# Altium PCB Digital_Output_PCB.PcbDoc (part 3 of 3)
Units mil, origin at the board's own origin, x right, y up, seen from the top; angles counter-clockwise.
Board outline 5600 x 4000 mil, 4 copper layers (Top Layer, Plane(Gnd), Plane(Power), Bottom Layer), stack 23.756 mil thick; 280 components, 305 nets, 760 pads, 331 vias.
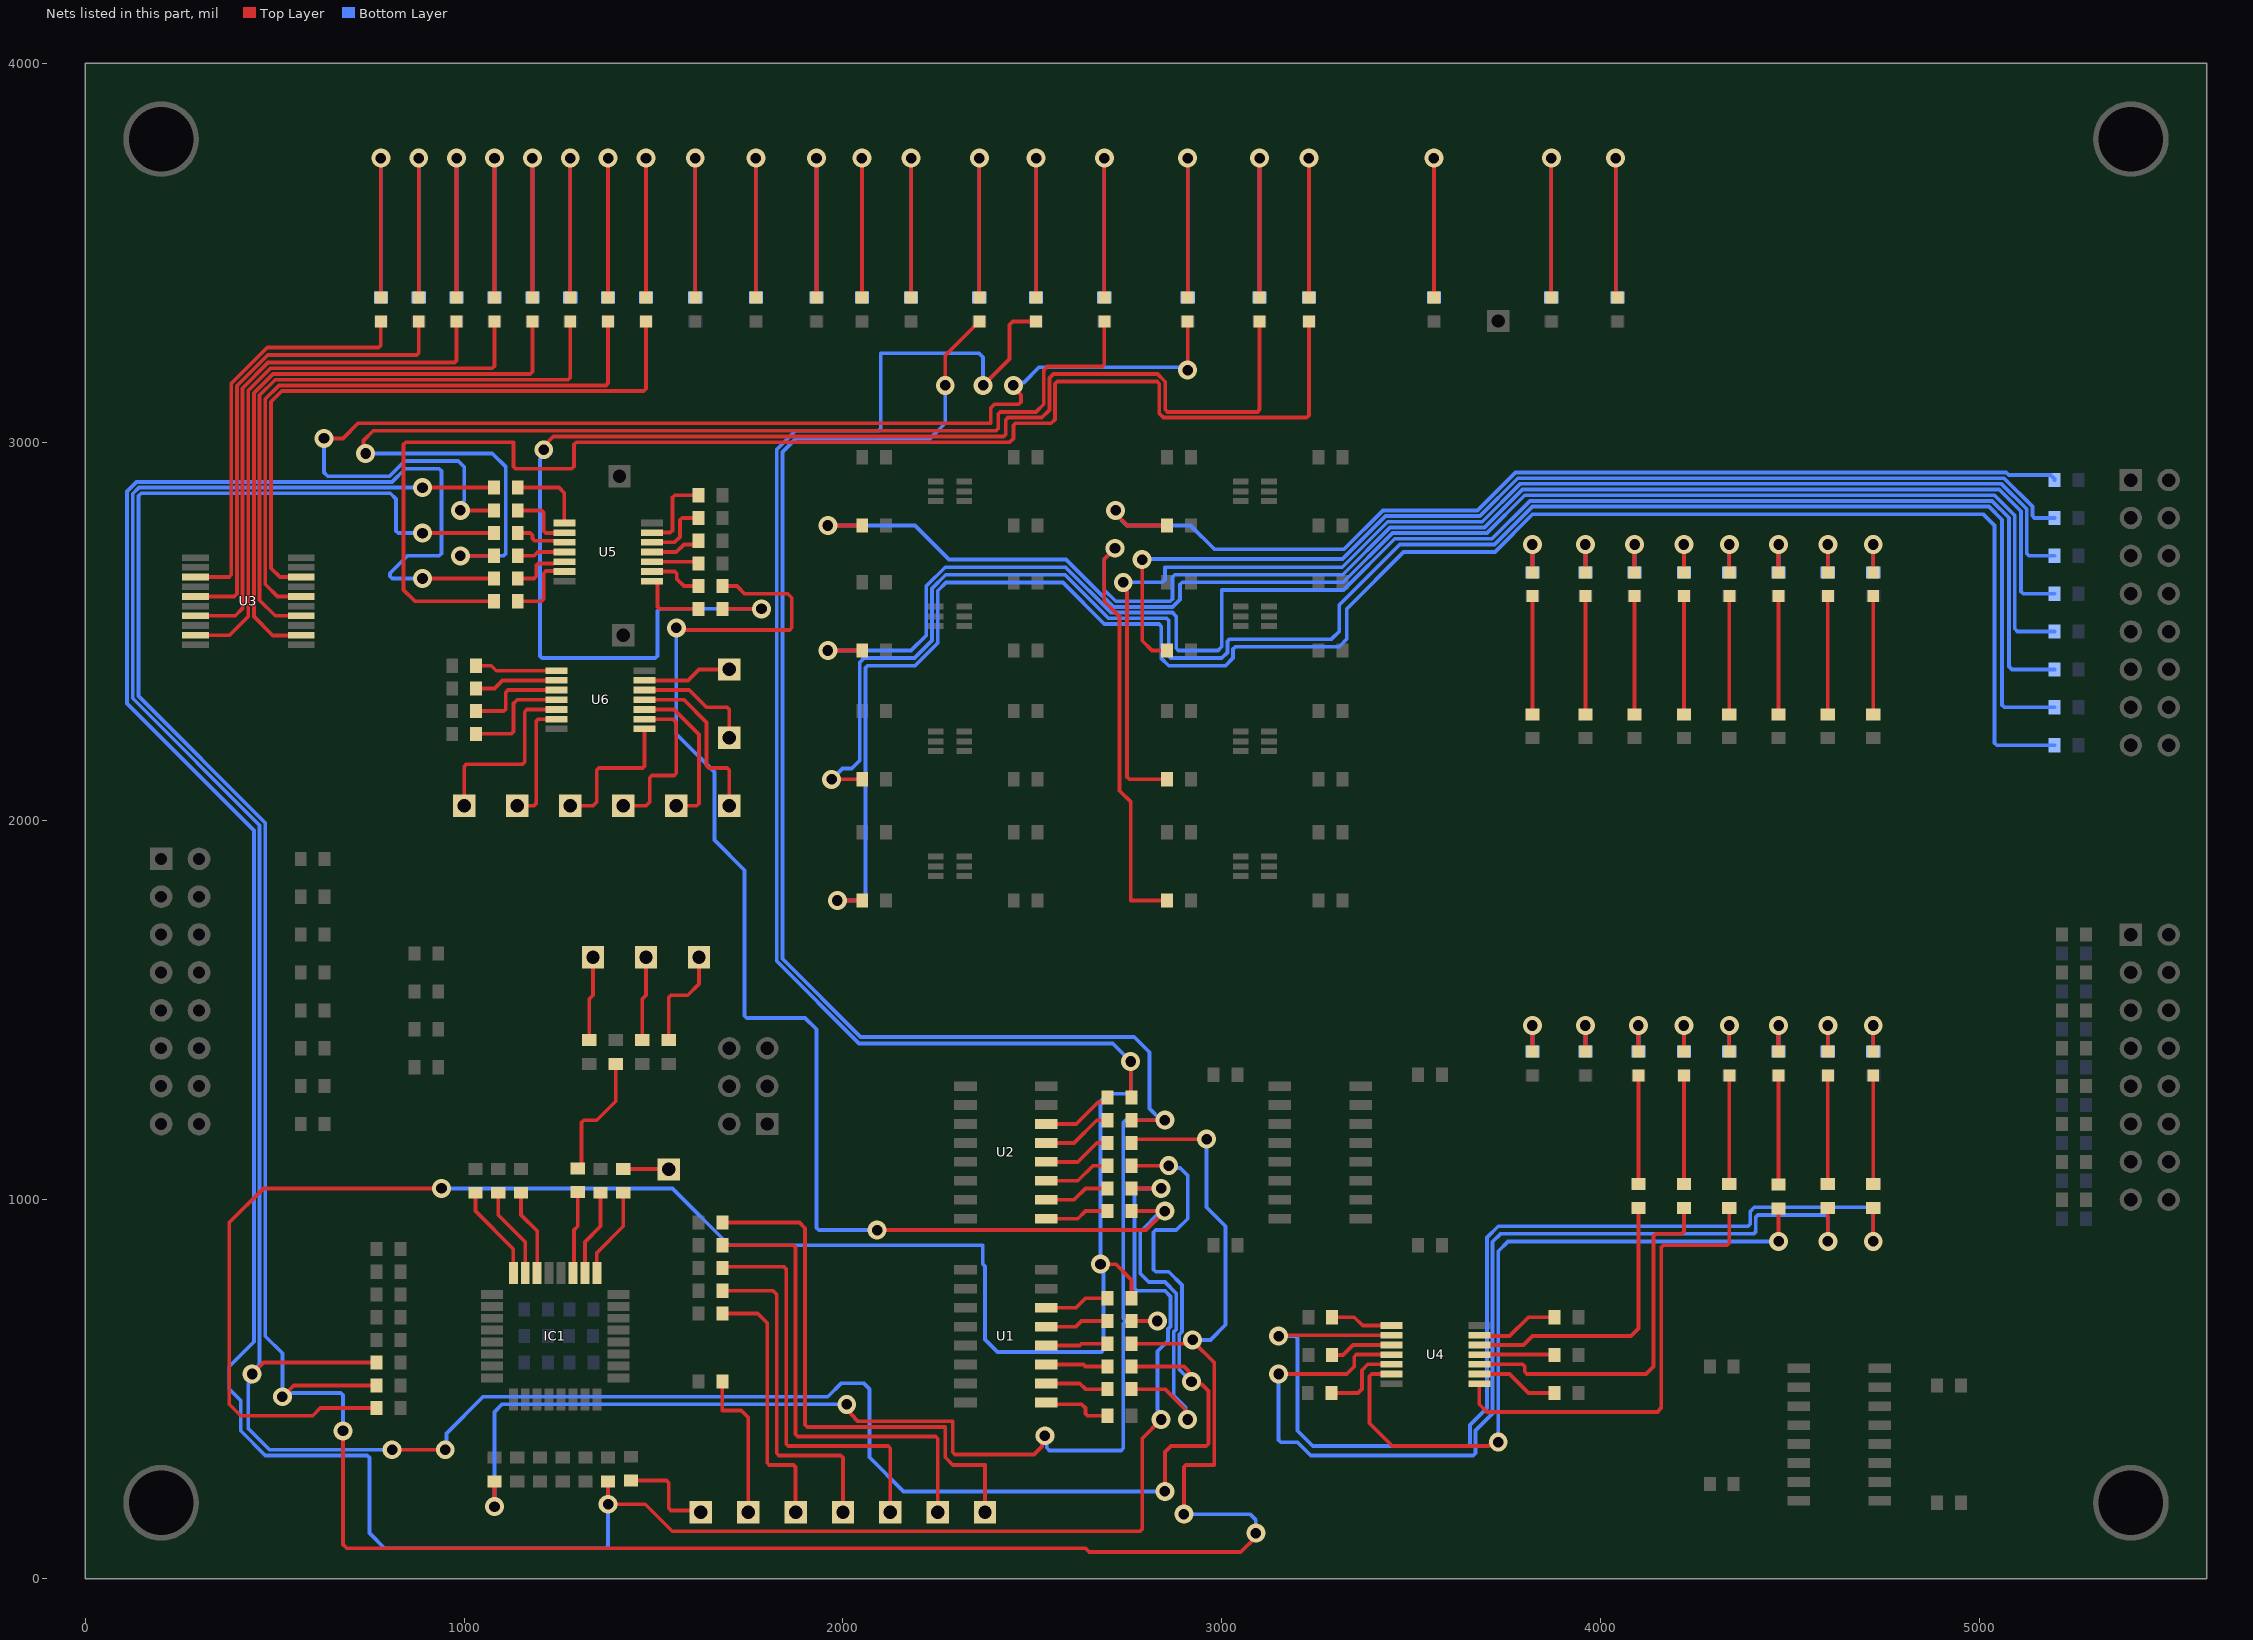
[diagram p5: the nets of this part, all layers, seen from the top]

## Via types
v1: diameter 50, hole 28, Top Layer to Bottom Layer, 331 vias

## Nets (pads, with @x,y where several pads share a name; then routed paths per layer and width w, separated by ;. In a path a pad name is that pad's centre, name@x,y a point inside that pad or via, vN(x,y) a via of type N, cw(c..) or ccw(c..) an arc to the next point about the centre after c; other vN are vias at no path point) (continued)
NetIC1_25: IC1.25 R86.1 | length 240.6
  Top Layer w10: IC1.25@1350.24,806.85 1350.24,860.24 1420,930 R86.1@1420,1018.5
NetIC1_26: IC1.26 R84.1 | length 228.7
  Top Layer w10: IC1.26@1318.74,806.85 1318.74,888.74 1360,930 R84.1@1360,1018.5
NetIC1_27: IC1.27 R82.1 | length 218.4
  Top Layer w10: IC1.27@1287.24,806.85 1290,809.61 1290,920 1300,930 R82.1@1300,1020
NetIC1_30: IC1.30 R81.2 | length 229.4
  Top Layer w10: R81.2@1150,1018.5 1150,960 1192.76,917.24 IC1.30@1192.76,806.85
NetIC1_31: IC1.31 R83.2 | length 241.2
  Top Layer w10: R83.2@1090,1018.5 1090,960 1161.26,888.74 IC1.31@1161.26,806.85
NetIC1_32: IC1.32 R85.2 | length 253
  Top Layer w10: R85.2@1030,1018.5 1030,970 1129.76,870.24 IC1.32@1129.76,806.85
NetLED1_1: LED1.1 U3.18 | length 1710.5
  Top Layer w10: U3.18@569.76,2643.98 513.43,2643.98 490,2667.41 490,3106.57 518.43,3135 1474.14,3135 1480,3140.86 LED1.1@1480,3318.5
NetLED1_2: LED1.2 R120.1 | length 737
  Top Layer w10: LED1.2@1480,3381.5 v1(1480,3750)
  Bottom Layer w10: R120.1@1480,3381.5 v1(1480,3750)
NetLED2_1: LED2.1 U3.16 | length 1682.2
  Top Layer w10: U3.16@569.76,2592.8 507.22,2592.8 475,2625.01 475,3114.14 510.86,3150 1374.14,3150 1380,3155.86 LED2.1@1380,3318.5
NetLED2_2: LED2.2 R121.1 | length 737
  Top Layer w10: LED2.2@1380,3381.5 v1(1380,3750)
  Bottom Layer w10: R121.1@1380,3381.5 v1(1380,3750)
NetLED3_1: LED3.1 U3.14 | length 1655.1
  Top Layer w10: U3.14@569.76,2541.61 501.01,2541.61 460,2582.62 460,3123.79 501.21,3165 1274.14,3165 1280,3170.86 LED3.1@1280,3318.5
NetLED3_2: LED3.2 R122.1 | length 737
  Top Layer w10: LED3.2@1280,3381.5 v1(1280,3750)
  Bottom Layer w10: R122.1@1280,3381.5 v1(1280,3750)
NetLED4_1: LED4.1 U3.12 | length 1626.6
  Top Layer w10: U3.12@569.76,2490.43 569.33,2490 494.79,2490 445,2539.79 445,3130 495,3180 1174.14,3180 1180,3185.86 LED4.1@1180,3318.5
NetLED4_2: LED4.2 R123.1 | length 737
  Top Layer w10: LED4.2@1180,3381.5 v1(1180,3750)
  Bottom Layer w10: R123.1@1180,3381.5 v1(1180,3750)
NetLED5_1: LED5.1 U3.9 | length 1551
  Top Layer w10: U3.9@290.24,2490.43 380.43,2490.43 430,2540 430,3136.36 488.64,3195 1074.14,3195 1080,3200.86 LED5.1@1080,3318.5
NetLED5_2: LED5.2 R124.1 | length 737
  Top Layer w10: LED5.2@1080,3381.5 v1(1080,3750)
  Bottom Layer w10: R124.1@1080,3381.5 v1(1080,3750)
NetLED6_1: LED6.1 U3.7 | length 1412.5
  Top Layer w10: U3.7@290.24,2541.61 395.76,2541.61 415,2560.86 415,3142.57 482.43,3210 974.14,3210 980,3215.86 LED6.1@980,3318.5
NetLED6_2: LED6.2 R125.1 | length 737
  Top Layer w10: LED6.2@980,3381.5 v1(980,3750)
  Bottom Layer w10: R125.1@980,3381.5 v1(980,3750)
NetLED7_1: LED7.1 U3.5 | length 1260.2
  Top Layer w10: U3.5@290.24,2592.8 392.8,2592.8 400,2600 400,3148.79 481.21,3230 874.14,3230 880,3235.86 LED7.1@880,3318.5
NetLED7_2: LED7.2 R126.1 | length 737
  Top Layer w10: LED7.2@880,3381.5 v1(880,3750)
  Bottom Layer w10: R126.1@880,3381.5 v1(880,3750)
NetLED8_1: LED8.1 U3.3 | length 1101.8
  Top Layer w10: U3.3@290.24,2643.98 379.14,2643.98 385,2649.83 385,3155 480,3250 774.14,3250 780,3255.86 LED8.1@780,3318.5
NetLED8_2: LED8.2 R127.1 | length 737
  Top Layer w10: LED8.2@780,3381.5 v1(780,3750)
  Bottom Layer w10: R127.1@780,3381.5 v1(780,3750)
NetLED9_2: LED9.2 R128.1 | length 737
  Top Layer w10: LED9.2@2360,3381.5 v1(2360,3750)
  Bottom Layer w10: R128.1@2360,3381.5 v1(2360,3750)
NetLED10_2: LED10.2 R129.1 | length 737
  Top Layer w10: LED10.2@2510,3381.5 v1(2510,3750)
  Bottom Layer w10: R129.1@2510,3381.5 v1(2510,3750)
NetLED11_2: LED11.2 R130.1 | length 737
  Top Layer w10: LED11.2@3560,3381.5 v1(3560,3750)
  Bottom Layer w10: R130.1@3560,3381.5 v1(3560,3750)
NetLED12_2: LED12.2 R131.1 | length 737
  Top Layer w10: LED12.2@1770,3381.5 v1(1770,3750)
  Bottom Layer w10: R131.1@1770,3381.5 v1(1770,3750)
NetLED13_2: LED13.2 R132.1 | length 737
  Top Layer w10: LED13.2@1930,3381.5 v1(1930,3750)
  Bottom Layer w10: R132.1@1930,3381.5 v1(1930,3750)
NetLED14_2: LED14.2 R133.1 | length 737
  Top Layer w10: LED14.2@1610,3381.5 v1(1610,3750)
  Bottom Layer w10: R133.1@1610,3381.5 v1(1610,3750)
NetLED15_2: LED15.2 R134.1 | length 737
  Top Layer w10: LED15.2@2050,3381.5 v1(2050,3750)
  Bottom Layer w10: R134.1@2050,3381.5 v1(2050,3750)
NetLED16_2: LED16.2 R135.1 | length 737
  Top Layer w10: LED16.2@2180,3381.5 v1(2180,3750)
  Bottom Layer w10: R135.1@2180,3381.5 v1(2180,3750)
NetLED17_2: LED17.2 R136.1 | length 137
  Top Layer w10: LED17.2@3820,1391.5 v1(3820,1460)
  Bottom Layer w10: R136.1@3820,1391.5 v1(3820,1460)
NetLED18_2: LED18.2 R137.1 | length 137
  Top Layer w10: LED18.2@3960,1391.5 v1(3960,1460)
  Bottom Layer w10: R137.1@3960,1391.5 v1(3960,1460)
NetLED19_1: LED19.1 R164.1 | length 287
  Top Layer w10: R164.1@4100,1041.5 LED19.1@4100,1328.5
NetLED19_2: LED19.2 R138.1 | length 137
  Top Layer w10: LED19.2@4100,1391.5 v1(4100,1460)
  Bottom Layer w10: R138.1@4100,1391.5 v1(4100,1460)
NetLED20_1: LED20.1 R162.1 | length 287
  Top Layer w10: R162.1@4220,1041.5 LED20.1@4220,1328.5
NetLED20_2: LED20.2 R139.1 | length 137
  Top Layer w10: LED20.2@4220,1391.5 v1(4220,1460)
  Bottom Layer w10: R139.1@4220,1391.5 v1(4220,1460)
NetLED21_1: LED21.1 R160.1 | length 287
  Top Layer w10: R160.1@4340,1041.5 LED21.1@4340,1328.5
NetLED21_2: LED21.2 R140.1 | length 137
  Top Layer w10: LED21.2@4340,1391.5 v1(4340,1460)
  Bottom Layer w10: R140.1@4340,1391.5 v1(4340,1460)
NetLED22_1: LED22.1 R158.1 | length 288.5
  Top Layer w10: R158.1@4470,1040 LED22.1@4470,1328.5
NetLED22_2: LED22.2 R141.1 | length 137
  Top Layer w10: LED22.2@4470,1391.5 v1(4470,1460)
  Bottom Layer w10: R141.1@4470,1391.5 v1(4470,1460)
NetLED23_1: LED23.1 R148.1 | length 287
  Top Layer w10: R148.1@4600,1041.5 LED23.1@4600,1328.5
NetLED23_2: LED23.2 R142.1 | length 137
  Top Layer w10: LED23.2@4600,1391.5 v1(4600,1460)
  Bottom Layer w10: R142.1@4600,1391.5 v1(4600,1460)
NetLED24_1: LED24.1 R146.1 | length 287
  Top Layer w10: R146.1@4720,1041.5 LED24.1@4720,1328.5
NetLED24_2: LED24.2 R143.1 | length 137
  Top Layer w10: LED24.2@4720,1391.5 v1(4720,1460)
  Bottom Layer w10: R143.1@4720,1391.5 v1(4720,1460)
NetLED25_2: LED25.2 R144.1 | length 741.1
  Top Layer w10: v1(4040,3750) 4040,3386.5 LED25.2@4045,3381.5
  Bottom Layer w10: v1(4040,3750) 4040,3386.5 R144.1@4045,3381.5
NetLED26_2: LED26.2 R145.1 | length 737
  Top Layer w10: LED26.2@3870,3381.5 v1(3870,3750)
  Bottom Layer w10: R145.1@3870,3381.5 v1(3870,3750)
NetLED27_1: LED27.1 R177.1 | length 312
  Top Layer w10: R177.1@3820,2281.5 LED27.1@3820,2593.5
NetLED27_2: LED27.2 R150.1 | length 147
  Top Layer w10: LED27.2@3820,2656.5 v1(3820,2730)
  Bottom Layer w10: R150.1@3820,2656.5 v1(3820,2730)
NetLED28_1: LED28.1 R176.1 | length 312
  Top Layer w10: R176.1@3960,2281.5 LED28.1@3960,2593.5
NetLED28_2: LED28.2 R151.1 | length 147
  Top Layer w10: LED28.2@3960,2656.5 v1(3960,2730)
  Bottom Layer w10: R151.1@3960,2656.5 v1(3960,2730)
NetLED29_1: LED29.1 R175.1 | length 312
  Top Layer w10: R175.1@4090,2281.5 LED29.1@4090,2593.5
NetLED29_2: LED29.2 R152.1 | length 147
  Top Layer w10: LED29.2@4090,2656.5 v1(4090,2730)
  Bottom Layer w10: R152.1@4090,2656.5 v1(4090,2730)
NetLED30_1: LED30.1 R174.1 | length 312
  Top Layer w10: R174.1@4220,2281.5 LED30.1@4220,2593.5
NetLED30_2: LED30.2 R153.1 | length 167
  Top Layer w10: LED30.2@4220,2656.5 v1@4220,2740
  Bottom Layer w10: R153.1@4220,2656.5 v1@4220,2740
  other v1: 4220,2730
NetLED31_1: LED31.1 R173.1 | length 312
  Top Layer w10: R173.1@4340,2281.5 LED31.1@4340,2593.5
NetLED31_2: LED31.2 R154.1 | length 167
  Top Layer w10: LED31.2@4340,2656.5 v1@4340,2740
  Bottom Layer w10: R154.1@4340,2656.5 v1@4340,2740
  other v1: 4340,2730
NetLED32_1: LED32.1 R168.1 | length 312
  Top Layer w10: R168.1@4470,2281.5 LED32.1@4470,2593.5
NetLED32_2: LED32.2 R155.1 | length 167
  Top Layer w10: LED32.2@4470,2656.5 v1@4470,2740
  Bottom Layer w10: R155.1@4470,2656.5 v1@4470,2740
  other v1: 4470,2730
NetLED33_1: LED33.1 R167.1 | length 312
  Top Layer w10: R167.1@4600,2281.5 LED33.1@4600,2593.5
NetLED33_2: LED33.2 R156.1 | length 187
  Top Layer w10: LED33.2@4600,2656.5 v1@4600,2750
  Bottom Layer w10: R156.1@4600,2656.5 v1@4600,2750
  other v1: 4600,2730
NetLED34_1: LED34.1 R166.1 | length 312
  Top Layer w10: R166.1@4720,2281.5 LED34.1@4720,2593.5
NetLED34_2: LED34.2 R157.1 | length 187
  Top Layer w10: LED34.2@4720,2656.5 v1@4720,2750
  Bottom Layer w10: R157.1@4720,2656.5 v1@4720,2750
  other v1: 4720,2730
NetLED35_1: LED35.1 R188.1 | length 3732.3
  Top Layer w10: v1(1210,2980) 1210,2990 1235,3015 2424.14,3015 2430,3020.86 2430,3059.14 2435.86,3065 2525,3065 2545,3085 2545,3169.14 2555.86,3180 2830.36,3180 2851.04,3159.32 2851.04,3085.86 2856.89,3080 3094.14,3080 3100,3085.86 LED35.1@3100,3318.5 ; R188.1@1681.5,2560 v1(1785,2560)
  Bottom Layer w10: v1(1210,2980) 1202.35,2972.35 1202.35,2956.49 1200,2954.14 1200,2435.86 1205.86,2430 1504.14,2430 1510,2435.86 1510,2554.14 1515.86,2560 v1(1785,2560)
NetLED35_2: LED35.2 R169.1 | length 737
  Top Layer w10: LED35.2@3100,3381.5 v1(3100,3750)
  Bottom Layer w10: R169.1@3100,3381.5 v1(3100,3750)
NetLED36_1: LED36.1 R186.1 | length 3633.9
  Top Layer w10: R186.1@1078.5,2580 870,2580 840,2610 840,2994.14 845.86,3000 1130,3000 1130,2935.86 1135.86,2930 1284.14,2930 1290,2935.86 1290,2994.14 1295.86,3000 2440,3000 2450,3010 2450,3044.14 2455.86,3050 2550,3050 2560,3060 2560,3154.14 2565.86,3160 2829.14,3160 2835,3154.14 2835,3075.86 2845.86,3065 3224.14,3065 3230,3070.86 LED36.1@3230,3318.5
NetLED36_2: LED36.2 R170.1 | length 737
  Top Layer w10: LED36.2@3230,3381.5 v1(3230,3750)
  Bottom Layer w10: R170.1@3230,3381.5 v1(3230,3750)
NetLED37_1: LED37.1 R182.1 | length 3087.8
  Top Layer w10: v1(740,2970) 734.14,2975.86 734.14,3004.14 760,3030 2404.14,3030 2410,3035.86 2410,3074.14 2415.86,3080 2510,3080 2530,3100 2530,3190 2540,3200 2684.14,3200 2690,3205.86 LED37.1@2690,3318.5 ; v1(990,2700) R182.1@1078.5,2700
  Bottom Layer w10: v1(740,2970) 1074.14,2970 1110,2934.14 1110,2705.86 1104.14,2700 v1(990,2700)
NetLED37_2: LED37.2 R171.1 | length 737
  Top Layer w10: LED37.2@2690,3381.5 v1(2690,3750)
  Bottom Layer w10: R171.1@2690,3381.5 v1(2690,3750)
NetLED38_1: LED38.1 R178.1 | length 3261
  Top Layer w10: v1(630,3010) 680,3010 720,3050 2390,3050 2390,3090 2400,3100 2464.14,3100 2470,3105.86 2470,3124.14 2450,3144.14 v1(2450,3150) ; v1(990,2820) R178.1@1078.5,2820 ; v1(2910,3190) LED38.1@2910,3318.5
  Bottom Layer w10: v1(630,3010) 630,2920 640,2910 803.11,2910 843.11,2950 984.14,2950 1000,2934.14 1000,2845.86 997.65,2843.51 997.65,2827.65 v1(990,2820) ; v1(2450,3150) 2457.65,3157.65 2477.65,3157.65 2517.65,3197.65 2902.35,3197.65 v1(2910,3190)
NetLED38_2: LED38.2 R172.1 | length 737
  Top Layer w10: LED38.2@2910,3381.5 v1(2910,3750)
  Bottom Layer w10: R172.1@2910,3381.5 v1(2910,3750)
NetR68_1: R68.1 TP2.1 | length 222.6
  Top Layer w10: R68.1@1470,1421.5 1470,1530 1480,1540 TP2.1@1480,1640
NetR69_2: R69.2 TP3.1 | length 277.5
  Top Layer w10: R69.2@1540,1421.5 1540,1534.14 1545.86,1540 1590,1540 1620,1570 TP3.1@1620,1640
NetR72_1: R72.1 TP4.1 | length 222.6
  Top Layer w10: R72.1@1330,1421.5 1330,1530 1340,1540 TP4.1@1340,1640
NetR86_2: R86.2 TP5.1 | length 110.6
  Top Layer w10: R86.2@1420,1081.5 1528.5,1081.5 TP5.1@1530,1080
NetR88_2: R88.2 TP6.1 | length 1434.6
  Top Layer w10: R88.2@1681.5,940 1885,940 1900,925 1900,405.86 1905.86,400 2270,400 2270,320 2290,300 2375,300 TP6.1@2375,175
NetR90_2: R90.2 TP7.1 | length 1263.2
  Top Layer w10: R90.2@1681.5,880 1869.14,880 1875,874.14 1875,380.86 1880.86,375 2244.14,375 2250,369.14 TP7.1@2250,175
NetR92_2: R92.2 TP8.1 | length 1082.4
  Top Layer w10: R92.2@1681.5,820 1684.45,822.95 1844.14,822.95 1850,817.09 1850,355.86 1855.86,350 2119.14,350 2125,344.14 TP8.1@2125,175
NetR94_2: R94.2 TP9.1 | length 890.8
  Top Layer w10: R94.2@1681.5,760 1815,760 1825,750 1825,330.86 1830.86,325 1994.14,325 2000,319.14 TP9.1@2000,175
NetR96_2: R96.2 TP10.1 | length 697
  Top Layer w10: R96.2@1681.5,700 1775,700 1800,675 1800,305.86 1805.86,300 1869.14,300 1875,294.14 TP10.1@1875,175
NetR97_2: R97.2 TP11.1 | length 402.7
  Top Layer w10: R97.2@1681.5,520 1681.5,443.5 1731.5,443.5 1750,425 TP11.1@1750,175
NetR99_2: R99.2 TP12.1 | length 258.7
  Top Layer w10: R99.2@1440,258.5 1534.14,258.5 1540,252.65 1540,185.86 1545.86,180 1620,180 TP12.1@1625,175
NetR108_2: R108.2 U2.11 | length 178.3
  Top Layer w10: U2.11@2536.77,1050 2620,1050 2660,1090 R108.2@2698.5,1090
NetR109_2: R109.2 U1.11 | length 163.8
  Top Layer w10: U1.11@2536.77,565 2635,565 2640,560 R109.2@2698.5,560
NetR110_2: R110.2 U2.12 | length 182.4
  Top Layer w10: U2.12@2536.77,1100 2620,1100 2670,1150 R110.2@2698.5,1150
NetR111_2: R111.2 U1.12 | length 163.8
  Top Layer w10: U1.12@2536.77,615 2625,615 2630,620 R111.2@2698.5,620
NetR112_2: R112.2 U2.14 | length 192.4
  Top Layer w10: U2.14@2536.77,1200 2616,1200 2672.42,1256.42 2687.76,1256.42 2698.5,1267.17 R112.2@2698.5,1270
NetR113_2: R113.2 U1.14 | length 172.1
  Top Layer w10: U1.14@2536.77,715 2615,715 2640,740 R113.2@2698.5,740
NetR114_2: R114.2 U2.13 | length 186.6
  Top Layer w10: U2.13@2536.77,1150 2610,1150 2670,1210 R114.2@2698.5,1210
NetR115_2: R115.2 U1.13 | length 167.9
  Top Layer w10: U1.13@2536.77,665 2615,665 2630,680 R115.2@2698.5,680
NetR116_2: R116.2 U2.10 | length 174.2
  Top Layer w10: U2.10@2536.77,1000 2610,1000 2640,1030 R116.2@2698.5,1030
NetR117_2: R117.2 U1.10 | length 167.9
  Top Layer w10: U1.10@2536.77,515 2625,515 2640,500 R117.2@2698.5,500
NetR118_1: R118.1 U2.9 | length 170
  Top Layer w10: U2.9@2536.77,950 2620,950 2640,970 R118.1@2698.5,970
NetR119_1: R119.1 U1.9 | length 184.5
  Top Layer w10: U1.9@2536.77,465 2541.77,460 2630,460 2640,450 2640,435.86 2645.86,430 R119.1@2698.5,430
NetR146_2: R146.2 U4.2 | length 2880.7
  Top Layer w10: v1(3150,640) 3152.36,642.36 U4.2@3448.66,642.36 ; v1(4720,890) R146.2@4720,978.5
  Bottom Layer w10: v1(3150,640) 3194.14,640 3200,634.14 3200,390 3240,350 3649.14,350 3655,355.86 3655,405 3700,450 3700,900 3730,930 4389.14,930 4395,935.86 4395,969.14 4405.86,980 4714.14,980 4720,974.14 v1(4720,890)
NetR147_1: R147.1 U4.1 | length 166.3
  Top Layer w10: R147.1@3291.5,690 3350,690 3372.05,667.95 U4.1@3448.66,667.95
NetR148_2: R148.2 U4.4 | length 2717
  Top Layer w10: v1(3150,540) 3330,540 3350,560 3350,585.32 3355.86,591.18 U4.4@3448.66,591.18 ; v1(4600,890) R148.2@4600,978.5
  Bottom Layer w10: v1(3150,540) 3150,365.86 3155.86,360 3200,360 3235,325 3664.14,325 3670,330.86 3670,390.86 3715,435.86 3715,889.14 3735.86,910 4404.14,910 4410,915.86 4410,954.14 4415.86,960 4594.14,960 4600,954.14 v1(4600,890)
NetR149_1: R149.1 U4.3 | length 168.3
  Top Layer w10: R149.1@3291.5,590 3320,590 3346.77,616.77 U4.3@3448.66,616.77
NetR158_2: R158.2 U4.6 | length 1896.1
  Top Layer w10: U4.6@3448.66,540 3395.86,540 3390,534.14 3390,410 3450,350 3704.14,350 3706.49,352.35 3722.35,352.35 v1(3730,360) ; v1(4470,890) R158.2@4470,977.01
  Bottom Layer w10: v1(3730,360) 3730,864.14 3755.86,890 v1(4470,890)
NetR159_1: R159.1 U4.5 | length 219.3
  Top Layer w10: R159.1@3290,490 3360,490 3370,500 3370,550 3385.59,565.59 U4.5@3448.66,565.59
NetR160_2: R160.2 U4.8 | length 1248.5
  Top Layer w10: U4.8@3680,514.41 3680,460 3700,440 4150,440 4160,450 4160,874.14 4165.86,880 4334.14,880 4340,885.86 R160.2@4340,978.5
NetR161_1: R161.1 U4.9 | length 219.2
  Top Layer w10: U4.9@3680,540 3760,540 3810,490 R161.1@3878.5,490
NetR162_2: R162.2 U4.10 | length 978.7
  Top Layer w10: U4.10@3680,565.59 3794.14,565.59 3800,559.73 3800,545.86 3805.86,540 4120,540 4140,560 4140,904.14 4145.86,910 4214.14,910 4220,915.86 R162.2@4220,978.5
NetR163_1: R163.1 U4.11 | length 199
  Top Layer w10: U4.11@3680,591.18 3877.32,591.18 R163.1@3878.5,590
NetR164_2: R164.2 U4.12 | length 756.4
  Top Layer w10: U4.12@3680,616.77 3796.77,616.77 3820,640 4080,640 4100,660 R164.2@4100,978.5
NetR165_1: R165.1 U4.13 | length 217.2
  Top Layer w10: U4.13@3680,642.36 3682.36,640 3760,640 3810,690 R165.1@3875.48,690
NetR178_2: R178.2 U5.2 | length 176.5
  Top Layer w10: R178.2@1141.5,2820 1204.14,2820 1210,2814.14 1210,2765.86 1215.86,2760 1263.15,2760 U5.2@1264.33,2761.18
NetR179_1: R179.1 U5.1 | length 207.7
  Top Layer w10: R179.1@1141.5,2880 1250,2880 1264.33,2865.67 U5.1@1264.33,2786.77
NetR180_2: R180.2 U6.2 | length 221.6
  Top Layer w10: R180.2@1031.5,2350 1080,2350 1101.18,2371.18 U6.2@1244.33,2371.18
NetR181_1: R181.1 U6.1 | length 218.3
  Top Layer w10: R181.1@1031.5,2410 1071.5,2410 1084.72,2396.77 U6.1@1244.33,2396.77
NetR182_2: R182.2 U5.4 | length 127
  Top Layer w10: R182.2@1141.5,2700 1184.14,2700 1194.14,2710 U5.4@1264.33,2710
NetR183_1: R183.1 U5.3 | length 137.8
  Top Layer w10: R183.1@1141.5,2760 1174.14,2760 1180,2754.14 1180,2745.86 1185.86,2740 1234.44,2740 1234.99,2739.45 1260.47,2739.45 U5.3@1264.33,2735.59
NetR184_2: R184.2 U6.4 | length 293.5
  Top Layer w10: R184.2@1031.5,2230 1124.14,2230 1130,2235.86 1130,2310 1140,2320 U6.4@1244.33,2320
NetR185_1: R185.1 U6.3 | length 261.6
  Top Layer w10: R185.1@1031.5,2290 1104.14,2290 1110,2295.86 1110,2339.73 1115.86,2345.59 U6.3@1244.33,2345.59
NetR186_2: R186.2 U5.6 | length 196.5
  Top Layer w10: R186.2@1141.5,2580 1204.14,2580 1210,2585.86 1210,2654.14 1215.86,2660 1263.15,2660 U5.6@1264.33,2658.82
NetR187_1: R187.1 U5.5 | length 157.8
  Top Layer w10: R187.1@1141.5,2640 1184.14,2640 1190,2645.86 1190,2674.14 1195.86,2680 1234.44,2680 1234.99,2680.55 1260.47,2680.55 U5.5@1264.33,2684.41
NetR188_2: R188.2 U5.8 | length 190.4
  Top Layer w10: U5.8@1495.67,2633.23 1506.14,2633.23 1510,2629.37 1510,2565.86 1515.86,2560 R188.2@1618.5,2560
NetR189_1: R189.1 U5.9 | length 147.2
  Top Layer w10: U5.9@1495.67,2658.82 1555.32,2658.82 1561.18,2652.96 1561.18,2638.82 1580,2620 R189.1@1618.5,2620
NetR190_2: R190.2 U5.10 | length 124.7
  Top Layer w10: U5.10@1495.67,2684.41 1614.09,2684.41 R190.2@1618.5,2680
NetR191_1: R191.1 U5.11 | length 135.3
  Top Layer w10: U5.11@1495.67,2710 1560,2710 1580,2730 1608.5,2730 R191.1@1618.5,2740
NetR192_2: R192.2 U5.12 | length 175.4
  Top Layer w10: U5.12@1495.67,2735.59 1555.59,2735.59 1570,2750 1570,2794.14 1575.86,2800 R192.2@1618.5,2800
NetR193_1: R193.1 U5.13 | length 214.8
  Top Layer w10: U5.13@1495.67,2761.18 1544.14,2761.18 1550,2767.04 1550,2854.14 1555.86,2860 R193.1@1618.5,2860
NetTP13_1: TP13.1 U6.6 | length 326.3
  Top Layer w10: TP13.1@1140,2040 1184.14,2040 1190,2045.86 1190,2262.96 1195.86,2268.82 U6.6@1244.33,2268.82
NetTP14_1: TP14.1 U6.5 | length 488.4
  Top Layer w10: TP14.1@1000,2040 1000,2144.14 1005.86,2150 1154.14,2150 1160,2155.86 1160,2288.55 1165.86,2294.41 U6.5@1244.33,2294.41
NetTP16_1: TP16.1 U6.8 | length 387.1
  Top Layer w10: TP16.1@1280,2040 1340,2040 1350,2050 1350,2134.14 1355.86,2140 1471.34,2140 1475.67,2144.33 U6.8@1475.67,2243.23
NetTP17_1: TP17.1 U6.9 | length 435.3
  Top Layer w10: TP17.1@1420,2040 1480,2040 1490,2050 1490,2114.14 1495.86,2120 1554.14,2120 1560,2125.86 1560,2260 1551.18,2268.82 U6.9@1475.67,2268.82
NetTP19_1: TP19.1 U6.10 | length 416.7
  Top Layer w10: U6.10@1475.67,2294.41 1554.14,2294.41 1620,2228.55 1620,2045.86 1614.14,2040 TP19.1@1560,2040
NetTP20_1: TP20.1 U6.11 | length 462.3
  Top Layer w10: U6.11@1475.67,2320 1580,2320 1640,2260 1640,2145.86 1645.86,2140 1694.14,2140 1700,2134.14 TP20.1@1700,2040
NetTP21_1: TP21.1 U6.13 | length 236.3
  Top Layer w10: U6.13@1475.67,2371.18 1591.18,2371.18 1620,2400 TP21.1@1700,2400
NetTP22_1: TP22.1 U6.12 | length 319.8
  Top Layer w10: U6.12@1475.67,2345.59 1594.41,2345.59 1640,2300 1694.14,2300 1700,2294.14 TP22.1@1700,2220
RCLK: R100.1 R110.1 R111.1 R183.2 | length 8584.3
  Top Layer w10: v1(520,480) 550,510 R100.1@768.5,510 ; v1(680,390) 680,90 690,80 2640,80 2650,70 3050,70 3090,110 v1(3090,120) ; v1(890,2760) R183.2@1078.5,2760 ; R111.1@2761.5,620 v1@2902.18,620 ; R110.1@2761.5,1150 2771.5,1160 v1(2960,1160) ; v1(2900,170) 2900,294.14 2905.86,300 2980,300 2980,570 2923,627 v1(2923,630)
  Bottom Layer w10: v1(680,390) 680,484.14 674.14,490 545.86,490 543.51,487.65 527.65,487.65 v1(520,480) 520,594.64 475,639.64 475,1995 140,2330 140,2857.57 147.43,2865 805,2865 820,2850 820,2765.86 825.86,2760 v1(890,2760) ; v1(2900,170) 3074.14,170 3090,154.14 v1(3090,120) ; v1(2923,630) 2970,630 3010,670 3010,930 2960,980 v1(2960,1160)
Ser_Data_0: R101.2 R116.1 R187.2 | length 8152.4
  Top Layer w10: v1@910,2640 R187.2@1078.5,2640 ; R101.2@1380,256.5 v1(1380,196.18) 1477.96,196.18 1549.14,125 2784.14,125 2790,130.86 2790,370 v1(2840,420) ; R116.1@2761.5,1030 v1(2840,1030)
  Bottom Layer w10: v1(890,2640) 810,2640 804.14,2645.86 804.14,2654.14 850,2700 934.14,2700 940,2705.86 940,2924.14 934.14,2930 844.32,2930 809.32,2895 135,2895 110,2870 110,2310 445,1975 445,625 380,560 380,500 410,470 410,390 475,325 744.14,325 750,319.14 750,120 790,80 1374.14,80 1380,85.86 v1(1380,196.18) ; v1(2840,420) 2832.35,427.65 2832.35,443.51 2830,445.86 2830,600 2858,628 2858,658.5 2865,665.5 2865,745 2850,760 2775.86,760 2770,765.86 2770,1024.14 2775.86,1030 v1(2840,1030)
Ser_Data_1: R117.1 R118.2 R189.2 | length 4303.4
  Top Layer w10: v1(1560,2510) 1565.86,2504.14 1859.14,2504.14 1865,2510 1865,2589.14 1854.14,2600 1740,2600 1720,2620 R189.2@1681.5,2620 ; v1(2090,920) 2800,920 v1(2850,970) R118.2@2761.5,970 ; R117.1@2761.5,500 2850,500 2902.35,447.65 2902.35,427.65 v1(2910,420)
  Bottom Layer w10: v1(1560,2510) 1560,2230 1660.47,2129.53 1660.47,1949.53 1740,1870 1740,1485.86 1745.86,1480 1900,1480 1930,1450 1930,925.86 1935.86,920 v1(2090,920) ; v1(2850,970) 2840,970 2785,915 2785,805 2807.24,782.76 2850,782.76 2880,752.76 2880,657.71 2873,650.71 2873,483.11 2904.77,451.34 2904.77,425.23 v1(2910,420)
SR_CLR: LED10.1 R102.1 R112.1 R113.1 | length 8133.4
  Top Layer w10: R102.1@768.5,450 620,450 600,430 410,430 380,460 380,940 470,1030 v1(940,1030) ; v1(2370,3150) 2440,3220 2440,3310 2448.5,3318.5 LED10.1@2510,3318.5 ; v1(2680,830) 2720,830 2761.5,788.5 R113.1@2761.5,740 ; v1(2759.64,1365) 2759.64,1271.85 R112.1@2761.5,1270
  Bottom Layer w10: v1(940,1030) 1550,1030 1700,880 2369,880 2369,830 2375,824 2375,631 2408,598 2682.14,598 2688,603.86 2688,804.14 2687.65,804.49 2687.65,822.35 v1(2680,830) 2680,1260 2700,1280 2754.14,1280 2760,1285.86 v1@2760,1365 ; v1(2370,3150) 2370,3224.14 2359.14,3235 2100,3235 2100,3035.86 2094.14,3030 1874.64,3030 1825,2980.36 1825,1630.15 2042.57,1412.57 2712.07,1412.57 v1(2759.64,1365)
SR_OE: LED9.1 R104.1 R114.1 R115.1 | length 6751
  Top Layer w10: v1(1080,190) R104.1@1080,256.5 ; v1(2010,460) 2010,449.18 2020.78,438.39 2020.78,434.22 2040,415 2290,415 2290,333.32 2295.86,327.46 2504.46,327.46 2525.35,348.35 2525.35,369.35 v1(2533,377) ; v1(2270,3150) 2270,3228.5 LED9.1@2360,3318.5 ; R115.1@2761.5,680 v1(2830,680) ; R114.1@2761.5,1210 v1(2850,1210)
  Bottom Layer w10: v1(1080,190) 1080,440 1100,460 v1(2010,460) ; v1(2270,3150) 2270,3050 2230,3010 1875.86,3010 1840,2974.14 1840,1636.36 2046.36,1430 2768.79,1430 2809.39,1389.39 2809.39,1240.61 v1@2840,1210 ; v1(2533,377) 2537.78,372.22 2537.78,345.22 2545,338 2734.14,338 2740,343.86 2740,674.14 2745.86,680 ; v1(2830,680) 2745.86,680 ; v1(2850,1210) v1@2840,1210 ; 2745.86,680 2740,685.86 2740,1204.14 2745.86,1210 v1@2840,1210
SRCLK: R98.1 R108.1 R109.1 R179.2 | length 8132.5
  Top Layer w10: v1(440,540) 470,570 R98.1@768.5,570 ; v1(810,340) v1(950,340) ; v1(890,2880) R179.2@1078.5,2880 ; R109.1@2761.5,560 2900,560 2912.35,547.65 2912.35,527.65 2927.65,512.35 2947.65,512.35 2965,495 2965,355.86 2959.14,350 2865.86,350 2850,334.14 v1(2850,230) ; R108.1@2761.5,1090 v1(2860,1090)
  Bottom Layer w10: v1(810,340) 485.86,340 430,395.86 430,514.14 432.35,516.49 432.35,532.35 v1(440,540) 440,545.86 460,565.86 460,1988.79 125,2323.79 125,2863.79 141.21,2880 v1(890,2880) ; v1(950,340) 953.28,343.28 953.28,383.28 1050,480 1960,480 1995.86,515.86 2054.14,515.86 2070,500 2070,320 2160,230 v1(2850,230) ; v1(2860,1090) 2866.21,1083.79 2890.36,1083.79 2910,1064.14 2910,950 2880,920 2825.86,920 2820,914.14 2820,815.86 2825.86,810 2860,810 2895,775 2895,651.5 2888,644.5 2888,552 v1(2920,520)
TTL_Channel_Out_0: R2.2 R3.1 | length 2778.3
  Top Layer w10: v1(2720,2820) 2720,2811.21 2751.21,2780 R2.2@2855.91,2780
  Bottom Layer w10: v1(2720,2820) 2720,2810 2750,2780 2917.59,2780 2980,2717.59 3323.29,2717.59 3425.71,2820 3675.15,2820 3775.15,2920 5071.21,2920 5077.51,2913.7 5187.76,2913.7 5198.5,2902.95 R3.1@5198.5,2900
TTL_Channel_Out_1: R6.1 R18.2 | length 2846
  Top Layer w10: v1(2790,2690) 2790,2475.86 2815.86,2450 R18.2@2855.91,2450
  Bottom Layer w10: v1(2790,2690) 2791.72,2691.72 3318.64,2691.72 3431.92,2805 3681.36,2805 3781.36,2905 5065,2905 5140,2830 5140,2805.86 5145.86,2800 R6.1@5198.5,2800
TTL_Channel_Out_2: R9.1 R42.2 | length 3360.6
  Top Layer w10: v1(2740,2630) 2747.65,2622.35 2747.65,2606.49 2750,2604.14 2750,2115.86 2755.86,2110 R42.2@2855.91,2110
  Bottom Layer w10: v1(2740,2630) 2844.14,2630 2850,2635.86 2850,2670 3318.13,2670 3438.13,2790 3687.57,2790 3787.57,2890 5058.79,2890 5125,2823.79 5125,2705.86 5130.86,2700 R9.1@5198.5,2700
TTL_Channel_Out_3: R12.1 R54.2 | length 4103.5
  Top Layer w10: v1(2718.28,2720) 2690,2691.72 2690,2580 2730,2540 2730,2080 2760,2050 2760,1790 R54.2@2855.91,1790
  Bottom Layer w10: v1(2718.28,2720) 2690,2691.72 2690,2610 2720,2580 2864.14,2580 2870,2585.86 2870,2644.14 2875.86,2650 3319.35,2650 3444.35,2775 3693.79,2775 3793.79,2875 5052.57,2875 5110,2817.57 5110,2605.86 5115.86,2600 R12.1@5198.5,2600
TTL_Channel_Out_4: R1.2 R13.1 | length 3888.1
  Top Layer w10: v1(1960,2780) R1.2@2050.91,2780
  Bottom Layer w10: v1(1960,2780) 2190,2780 2280,2690 2588.79,2690 2713.79,2565 2870.36,2565 2890,2584.64 2890,2624.14 2895.86,2630 3320.56,2630 3450.56,2760 3700,2760 3800,2860 5040,2860 5093.36,2806.64 5093.36,2507.5 5100.86,2500 R13.1@5198.5,2500
TTL_Channel_Out_5: R14.1 R17.2 | length 4293.1
  Top Layer w10: v1(1960,2450) R17.2@2050.91,2450
  Bottom Layer w10: v1@1970,2450 2180,2450 2220,2490 2220,2620 2270,2670 2587.57,2670 2707.57,2550 2870,2550 2880,2540 2880,2455.86 2885.86,2450 2990,2450 3000,2460 3000,2610 3321.77,2610 3456.77,2745 3713.79,2745 3813.79,2845 5033.79,2845 5078.36,2800.43 5078.36,2407.5 5085.86,2400 R14.1@5198.5,2400
TTL_Channel_Out_6: R15.1 R41.2 | length 4641
  Top Layer w10: v1(1970,2110) R41.2@2050.91,2110
  Bottom Layer w10: v1(1970,2110) 1998.65,2138.65 2023.15,2138.65 2044.14,2159.64 2044.14,2418.28 2055.86,2430 2188.79,2430 2235,2476.21 2235,2613.79 2271.21,2650 2586.36,2650 2701.36,2535 2854.14,2535 2860,2529.14 2860,2435.86 2865.86,2430 3000,2430 3015,2445 3015,2474.14 3020.86,2480 3290,2480 3310,2500 3310,2570 3470,2730 3720,2730 3820,2830 5025.36,2830 5060,2795.36 5060,2305.86 5065.86,2300 R15.1@5198.5,2300
TTL_Channel_Out_7: R16.1 R53.2 | length 5020.1
  Top Layer w10: v1(1985,1790) R53.2@2050.91,1790
  Bottom Layer w10: v1(1985,1790) 2053.28,1790 2059.14,1795.86 2059.14,2404.14 2065,2410 2190,2410 2250,2470 2250,2607.57 2272.07,2629.64 2280.36,2629.64 2280.61,2629.39 2580.61,2629.39 2690,2520 2834.14,2520 2840,2514.14 2840,2430 2860,2410 3010,2410 3030,2430 3030,2454.14 3035.86,2460 3310,2460 3330,2480 3330,2560 3480,2710 3721.21,2710 3821.21,2810 5010,2810 5040,2780 5040,2205.86 5045.86,2200 R16.1@5198.5,2200
UPDI: R66.1 R82.2 | length 336.9
  Top Layer w10: R82.2@1300,1082.99 1310,1092.99 1310,1204.14 1315.86,1210 1350,1210 1400,1260 R66.1@1400,1358.5
pads on no net: R119.2

## Polygon pours and split planes (outlines as drawn)
no net on Bottom Layer "NONET_L04_P000" (solid, pour order 0): 0,0 0,4000 5600,4000 5600,0
no net on Top Layer "NONET_L01_P001" (solid, pour order 1): 0,4000 5600,4000 5600,0 0,0
+5 on Plane(Power) (split plane): 5579.9,20.1 20.1,20.1 20.1,3979.9 5579.9,3979.9
GND on Plane(Gnd) (split plane): 5579.9,20.1 20.1,20.1 20.1,3979.9 5579.9,3979.9

## Silkscreen, mask and mechanical layers (free items; w line width, h text height)
Top Overlay:
  lines w10: 717.5,3605 2282.5,3605 2282.5,3705 717.5,3705 717.5,3605 ; 719,3485 1529,3485 1529,3585 719,3585 719,3485 ; 1545,3485 2280,3485 2280,3585 1545,3585 1545,3485 ; 2297.5,3485 3320,3485 3320,3585 2297.5,3585 2297.5,3485 ; 2300.5,3605 3320,3605 3320,3705 2300.5,3705 2300.5,3605 ; 3340,3485 3740,3485 3740,3585 3340,3585 3340,3485 ; 3340,3605 3740,3605 3740,3705 3340,3705 3340,3605 ; 3755,3485 4155,3485 4155,3585 3755,3585 3755,3485 ; 3755,3605 4155,3605 4155,3705 3755,3705 3755,3605 ; 3766.72,1473.54 4766.72,1473.54 4766.72,1573.54 3766.72,1573.54 3766.72,1473.54 ; 3766.72,1588.54 4766.72,1588.54 4766.72,1688.54 3766.72,1688.54 3766.72,1588.54 ; 3771.8,2736.09 4771.8,2736.09 4771.8,2836.09 3771.8,2836.09 3771.8,2736.09 ; 3771.8,2851.09 4771.8,2851.09 4771.8,2951.09 3771.8,2951.09 3771.8,2851.09
  text "ABS Data Systems, Inc, (c) Copyright 2025" at 1410,3829.99 h60
  text "Shift Register" at 2510,3633.33 h40
  text "CPU Bus and Control" at 1140,3630 h40
  text "75ALS194" at 3390,3630 h40
  text "Power" at 3870,3630 h40
  text "Int" at 1575,3511.5 h40
  text "3.3V" at 3805,3511.5 h40
  text "D7" at 745,3510 h40
  text "D6" at 846.9,3510 h40
  text "D5" at 948.81,3510 h40
  text "D4" at 1050.71,3510 h40
  text "D3" at 1152.62,3510 h40
  text "D2" at 1254.52,3510 h40
  text "D1" at 1356.42,3510 h40
  text "D0" at 1445,3510 h40
  text "Rst" at 1728.33,3510 h40
  text "CS" at 1888.33,3510 h40
  text "RD" at 2021.66,3510 h40
  text "WR" at 2155,3510 h40
  text "OE" at 2340,3510 h40
  text "CLR" at 2457.52,3510 h40
  text "RCLK" at 2615.03,3510 h40
  text "SRCLK" at 2812.52,3510 h40
  text "SD1" at 3050,3510 h40
  text "SD0" at 3180,3510 h40
  text "Enable" at 3430,3510 h40
  text "5V" at 4010,3510 h40
  text "P/N Dig Output 32958" at 4310,3330.03 h60
  text "P/N Dig Output 32958" at 4310,3329.99 h60
  text "Verison 1.1" at 4310,3220 h60
  text "Output Source (TTL = On)" at 3830,2888.33 h40
  text "D7" at 3801.8,2766.09 h40
  text "D6" at 3930.35,2766.09 h40
  text "D5" at 4058.89,2766.09 h40
  text "D4" at 4187.43,2766.09 h40
  text "D3" at 4315.97,2766.09 h40
  text "D2" at 4444.52,2766.09 h40
  text "D1" at 4573.06,2766.09 h40
  text "D0" at 4681.61,2766.09 h40
  text "Output States" at 4045,1626.87 h40
  text "D7" at 3796.72,1503.54 h40
  text "D6" at 3925.27,1503.54 h40
  text "D5" at 4053.81,1503.54 h40
  text "D4" at 4182.35,1503.54 h40
  text "D3" at 4310.89,1503.54 h40
  text "D2" at 4439.44,1503.54 h40
  text "D1" at 4567.98,1503.54 h40
  text "D0" at 4676.53,1503.54 h40
Mechanical 1:
  lines w10: 4000,0 5600,0 ; 5600,0 5600,4000 ; 5600,0 0,0 0,4000 5600,4000 ; 5600,0 5600,4000

## Text inside footprints (layer, text, board x,y; h text height)
H1: Top Overlay "2" at 5490,2970 h40; Top Overlay "1" at 5380,2970 h40; Top Overlay "15" at 5370,2090 h40; Top Overlay "16" at 5480,2090 h40
H2: Top Overlay "2" at 5490,1770 h40; Top Overlay "1" at 5390,1770 h40; Top Overlay "15" at 5370,890 h40; Top Overlay "16" at 5470,890 h40
H4: Top Overlay "1" at 1800,1080 h50; Top Overlay "2" at 1680,1080 h50; Top Overlay "5" at 1790,1470 h50; Top Overlay "6" at 1680,1470 h50